# Altium PCB RPI_Gateway 1.0.0.PcbDoc (continued)
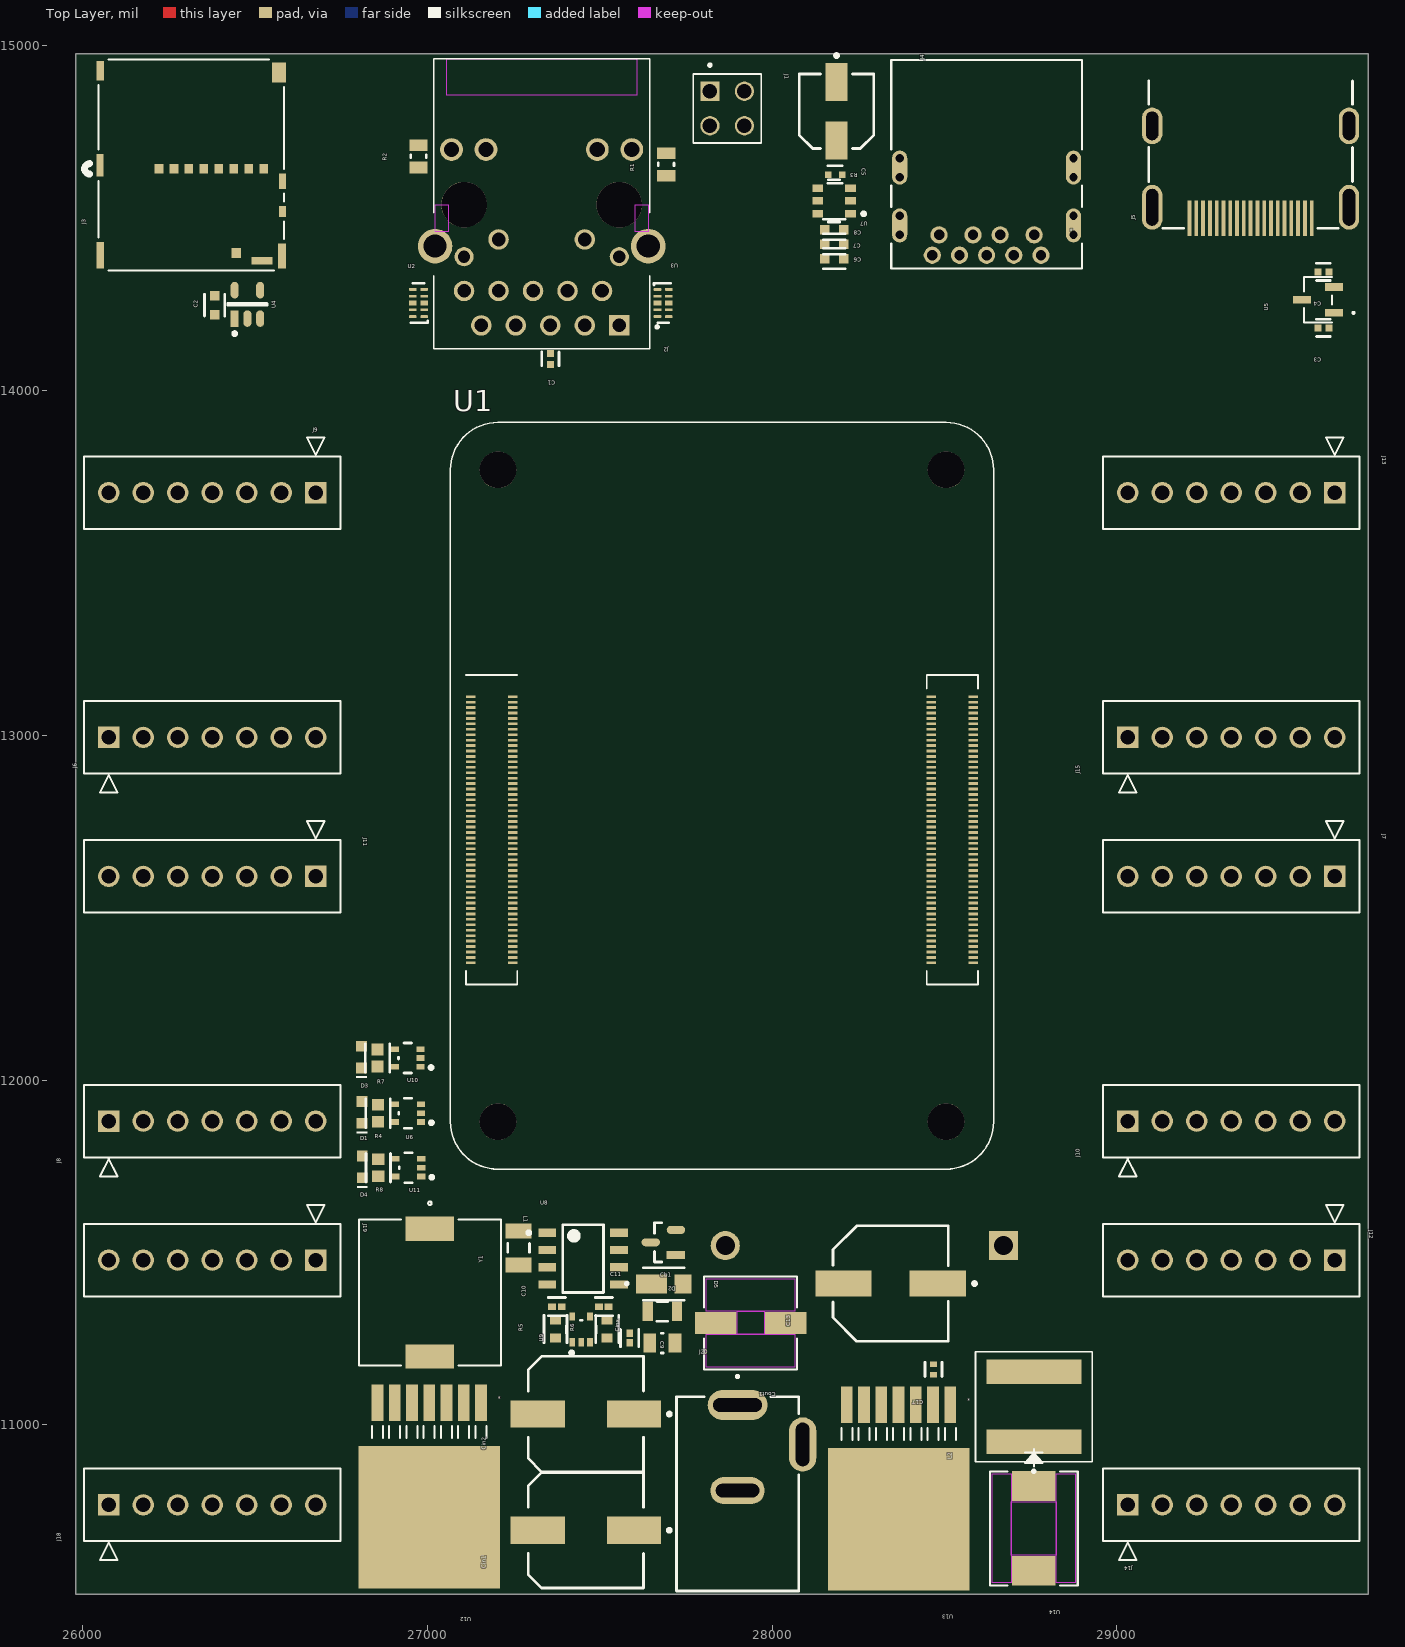
[diagram p0: Top Layer view]
## Footprints (in the part's own frame and the unit in brackets; to place one, negate y for a bottom-side part, rotate by r counter-clockwise, add the part's x,y. Pads: shape width x height; smd on the part's side, far side on the other; paste and mask are expansions set on the pad) (continued)
  round 2.7 hole 2.7: Un1(0,0) Un2(33,0) Un3(0,48) Un4(33,48)
  silkscreen extent -3.5,-3.5 36.5,51.5, body extent -2.15,10.2 35.15,32.8, height 1.41
RESC1005X40X25LL05T05 [mm] "Chip Resistor, 2-Leads, Body 1.05x0.55mm, IPC High Density"
  rect 0.45x0.45 smd: 1(-0.4,0) 2(0.4,0)
  body extent -0.53,-0.28 0.53,0.28, height 0.4
RESC2013X50X30LL20T20 [mm] "Chip Resistor, 2-Leads, Body 2.00x1.25mm, IPC High Density"
  rect 0.85x1.35 smd: 1(-0.825,0) 2(0.825,0)
  silkscreen extent -0.1,-0.58 0.1,0.58, body extent -1.1,-0.72 1.1,0.72, height 0.5
SOT_42SNGV_RIT [mil] "HDMI Power"
  rect 22x52 smd paste+0 mask+0: 1(-37.5,-47) 2(37.5,-47) 3(0,47)
  silkscreen extent -66,-106 66,41, body extent -61,-59 61,59, height 51
ST11S008V4HR2000_JAE [mil] "SD Card"
  rect 25x28 smd paste+0 mask+0: 1(93.31,11.63) 2(50,11.63) 3(6.69,11.63) 4(-36.61,11.63) 5(-79.92,11.63) 6(-123.23,11.63) 7(-166.54,11.63) 8(-209.84,11.63)
  rect 61x22 smd paste-30.5 mask-30.5: 9(-205.71,278.36)
  rect 28x28 smd paste-14 mask-14: 10(-131.1,255.72)
  rect 22x57 smd paste-28.5 mask-28.5: 11(263.19,-272.82)
  rect 20x65 smd paste-32.5 mask-32.5: 12(264.17,0.8)
  rect 22x77 smd paste-38.5 mask-38.5: 13(263.19,262.42)
  rect 22x73 smd paste-36.5 mask-36.5: 14(-263.19,264.58)
  rect 20x32 smd paste-16 mask-16: 15(-264.17,135.25)
  rect 20x45 smd paste-22.5 mask-22.5: 16(-264.17,48.05)
  rect 40x58 smd paste-29 mask-29: 17(-254.53,-267.9)
  silkscreen extent -269,-306 309,306, body extent -264,-303 264,299, height 48
TS7B [mil]
  rect 34x106 smd paste-53 mask-53: 1(-150,-326) 2(-100,-326) 3(-50,-326) 4(0,-326) 5(50,-326) 6(100,-326) 7(150,-326)
  rect 410x412 smd paste-206 mask-206: 8(0,6)
  silkscreen extent -166,-259 166,-224, body extent -205,-278 205,200, height 189
VALCON_THD-02-R [mm] "4 Pins Header for Ethernet"
  rect 1.42x1.42 hole 1.07: 01(-1.27,-1.27)
  round 1.42 hole 1.07: 02(-1.27,1.27) 03(1.27,-1.27) 04(1.27,1.27)
  silkscreen extent -3.29,-2.5 2.54,2.5, body extent -2.54,-2.5 2.54,2.5, height 8.6
WL-SMCW_0603_150060xx75000 [mm] "SMD Mono-color Chip LED, body 1.60 x 0.80 mm"
  rect 0.8x0.8 smd: 1(-0.8,0) 2(0.8,0)
  silkscreen extent -1.55,-0.4 -1.4,0.4, body extent -0.8,-0.4 0.8,0.4, height 0.7

## Part data
BT1: library part CMP-00214-00028800-1, "105 Battery Holder Coin Cell 1 Cell PC Pin PCB Through Hole Mount PBT 0.944 in. Dia", Max Operating Temperature=145°C, Min Operating Temperature=-50°C, Approvals=UL, Body Material="Glass, Nylon, PBT", Contact Material=Nickel, Contact Plating=Nickel, Diameter=24mm, Height=8.75mm, Lead Free="Lead Free", Material="Plastic, Steel", Mount="PCB, Through Hole", NexarPartId=28800, Number of Batteries=1, Number of Cells=1, Number of Contacts=2, Packaging=Bulk, REACH SVHC="No SVHC", RoHS=Compliant, Termination="PC Pin", Wire/Cable Gauge=1AWG
C1: library part CMP-2008-02046-2, "CAP CER 0.1UF 10V X5R 0402", Capacitance=100n, Manufacturer=Kemet, Package=C0402-BB, Temperature="-55°C to +125°C", Temperature Characteristic=X5R, Temperature Coefficient=15%, Temperature Range High=+125°C, Temperature Range Low=-55°C, Tolerance=0.1, Voltage Rating="10 V", Automotive=No, Category=Cap, ComponentLink2Description=Datasheet, ComponentLink2URL=https://content.kemet.com/datasheets/KEM_C1002_X7R_SMD.pdf, Device Class L1="Passive Components", Device Class L2=Capacitors, Device Class L3="Ceramic Capacitors", Digikey Description="CAP CER 0.1UF 10V X5R 0402", Height=0.55mm, Ipc Land Pattern Name=CAPC10050X50, Lead Free=Yes, Manufacturer Part Number=C0402C104K8PACTU, Material=Ceramic, Mouser Description="Capacitor 100 nF 10 VDC 0402", Octopart=https://octopart.com/c0402c104k8pactu-kemet-140039, RoHS=TRUE
C2 C6 C7 C8: library part CMP-2000-04979-3, "Multilayer Ceramic Capacitors 10μF ±10% 10V X5R SMD 0603", Capacitance=10uF, Case Code (Imperial)=0603, Case Code (Metric)=1608, Dielectric=X5R, Dielectric Material=Ceramic, Max Operating Temperature=85°C, Min Operating Temperature=-55°C, Package Quantity=1, Tolerance=10%, Voltage=10V, Case/Package=0603, Construction=Flat, Depth=0.8mm, Height=0.8mm, Lead Free="Lead Free", Length=1.6mm, Mount="Surface Mount", Number of Pins=2, Packaging="Tape and Reel", Radiation Hardening=No, REACH SVHC="No SVHC", Resistor Type=Ceramic, RoHS Compliant=Yes, Series=C, Termination=SMD/SMT, Thickness=0.035inch, Voltage Rating=10V, Voltage Rating (DC)=10V, Weight=7.1E-05oz, Width=0.8mm
C3 C4 C9 C10 C11: library part CMP-2008-02046-2, "CAP CER 0.1UF 10V X5R 0402", Capacitance="0.10 μF", Manufacturer=Kemet, Package=C0402-BB, Temperature="-55°C to +125°C", Temperature Characteristic=X5R, Temperature Coefficient=15%, Temperature Range High=+125°C, Temperature Range Low=-55°C, Tolerance=0.1, Voltage Rating="10 V", Automotive=No, Category=Cap, ComponentLink2Description=Datasheet, ComponentLink2URL=https://content.kemet.com/datasheets/KEM_C1002_X7R_SMD.pdf, Device Class L1="Passive Components", Device Class L2=Capacitors, Device Class L3="Ceramic Capacitors", Digikey Description="CAP CER 0.1UF 10V X5R 0402", Height=0.55mm, Ipc Land Pattern Name=CAPC10050X50, Lead Free=Yes, Manufacturer Part Number=C0402C104K8PACTU, Material=Ceramic, Mouser Description="Capacitor 100 nF 10 VDC 0402", Octopart=https://octopart.com/c0402c104k8pactu-kemet-140039, RoHS=TRUE
C5: library part CMP-05427-000047-1, "CAP ALUM 100UF 20% 10V SMD", Capacitance=100uF, Case/Package=Radial, Max Operating Temperature=85°C, Min Operating Temperature=-40°C, Package Quantity=1, Ripple Current=50mA, Tolerance=20%, Voltage Rating=10V, Construction=Cylindrical, Contact Plating=Tin, Diameter=5mm, Height=5.4mm, Height - Seated (Max)=0.213inch, Lead Free="Lead Free", Length=5.5mm, Life (Hours)=1000Hour, Mount="Surface Mount", Packaging="Tape and Reel", Radiation Hardening=No, Ripple Current (AC)=50mA, RoHS Compliant=Yes, Series=S, Termination=SMD/SMT, Voltage Rating (DC)=10V
C12 Cb1: library part CMP-08246-000595-1, "Cap Ceramic 10nF 50V C0G 5% Pad SMD 0805 +125°C Automotive T/R", Capacitance=10nF, Case Code (Imperial)=0805, Case Code (Metric)=2012, Dielectric=C0G, Max Operating Temperature=125°C, Min Operating Temperature=-55°C, Package Quantity=1, Ratings=AEC-Q200, Tolerance=5%, Voltage Rating=50V, Case/Package=0805, Composition=Ceramic, Depth=1.25mm, Height=0.6mm, Lead Free="Lead Free", Length=2mm, Mount="Surface Mount", Packaging="Tape and Reel", Radiation Hardening=No, REACH SVHC="No SVHC", Termination=SMD/SMT, Thickness=0.028inch, Voltage Rating (DC)=50V, Weight=0.000194oz, Width=0.049inch
C13: library part CMP-05428-001015-1, "Conductive Polymer Aluminum Solid Capacitors (OS-CON) 180uF ±20% 20V RADIAL SMT 8x6.9mm", Capacitance=180uF, Case/Package=Radial, ESR (Equivalent Series Resistance)=25mR, Leakage Current=720uA, Max Operating Temperature=105°C, Min Operating Temperature=-55°C, Package Quantity=1000, Ripple Current=3.2A, Tolerance=20%, Voltage=20V, Construction=Cylindrical, Diameter=8mm, Dissipation Factor=12%, Height=6.9mm, Height - Seated (Max)=0.276inch, Lead Free="Lead Free", Length=6.9mm, Life (Hours)=5000Hour, Mount="Surface Mount", Number of Pins=7, Packaging="Tape and Reel", Polarity=Polar, REACH SVHC="No SVHC", Ripple Current (AC)=3.2A, RoHS Compliant=Yes, Series="OS-CON™, SVPF", Termination=SMD/SMT, Voltage Rating=20V, Voltage Rating (DC)=20V
C14 C15 C16: library part CMP-05428-001341-1, "Molded Tantalum Polymer Capacitor 100uF 20% 8V life 1000Hours SMD 1411", Capacitance=100uF, Case Code (Imperial)=1210, Case Code (Metric)=3528, Case/Package=Molded, ESR (Equivalent Series Resistance)=35mR, Leakage Current=80uA, Max Operating Temperature=105°C, Min Operating Temperature=-55°C, Package Quantity=2000, Ripple Current=1.4A, Tolerance=20%, Voltage=8V, Construction=Flat, Depth=2.8mm, Dissipation Factor=8%, Features="General Purpose", Height=1.9mm, Height - Seated (Max)=0.079inch, Lead Free="Lead Free", Length=3.5mm, Mount="Surface Mount", Number of Pins=2, Packaging="Tape and Reel", Polarity=Polar, Radiation Hardening=No, REACH SVHC="No SVHC", RoHS Compliant=Yes, Series="POSCAP™ TPE", Termination=SMD/SMT, Voltage Rating=8V, Voltage Rating (DC)=8V, Width=2.8mm
C17: library part CMP-2100-03641-2, "CAP CER 0.1UF 16V X7R 0402", Capacitance=0.10μF, Manufacturer=Murata, Package=GRM15, Temperature="-55°C to +125°C", Temperature Characteristic=X7R, Temperature Range High=+125°C, Temperature Range Low=-55°C, Tolerance=10%, Voltage Rating=16Vdc, Category=Cap, ComponentLink2Description=Datasheet, ComponentLink2URL=https://search.murata.co.jp/Ceramy/image/img/A01X/G101/ENG/GRM155R71H471KA01-01A.pdf, Device Class L1="Passive Components", Device Class L2=Capacitors, Device Class L3="Ceramic Capacitors", Digikey Description="CAP CER 0.1UF 16V X7R 0402", Height=0.55mm, Ipc Land Pattern Name=CAPC10050X219, Lead Free=yes, Manufacturer Part Number=GRM155R71C104KA88D, Material=Ceramic, Mouser Description="0402 0.1 uF 16V ±10 % Tolerance X7R SMT Multilayer Ceramic Capacitor", Octopart=https://octopart.com/grm155r71c104ka88d-murata-196880, RoHS=TRUE, Standoff Height=0mm
Cin1 Cin2: library part CMP-05427-000084-1, "CAP ALUM 100UF 20% 35V SMD", Capacitance=100uF, Case/Package=Radial, Dielectric Material=Aluminium, ESR (Equivalent Series Resistance)=160mR, Leakage Current=3uA, Max Operating Temperature=105°C, Min Operating Temperature=-55°C, Package Quantity=1, Ripple Current=600mA, Tolerance=20%, Voltage=35V, Construction=Cylindrical, Contact Plating=Tin, Diameter=8mm, Height=10.2mm, Height - Seated (Max)=0.402inch, Impedance=160mR, Lead Free="Lead Free", Length=10.2mm, Life (Hours)=2000Hour, Mount="Surface Mount", Number of Pins=2, Packaging="Tape and Reel", Radiation Hardening=No, REACH SVHC="No SVHC", Ripple Current (AC)=600mA, RoHS Compliant=Yes, Series=FK, Termination=SMD/SMT, Voltage Rating=35V, Voltage Rating (DC)=35V, Width=10mm
Cinx: library part CMP-1036-04410-2, "CAP CER 0.1UF 25V X7R 0805", Capacitance="100 nF", Manufacturer=Yageo, Package=CC0805-0.85, Temperature="-30°C to +85°C", Temperature Characteristic=X7R, Temperature Range High=+85°C, Temperature Range Low=-30°C, Tolerance=0.1, Voltage Rating="25 V", Automotive=No, Category=Cap, ComponentLink2Description=Datasheet, ComponentLink2URL=http://www.yageo.com/documents/recent/UPY-GPHC_Y5V_6.3V-to-50V_8.pdf, Device Class L1="Passive Components", Device Class L2=Capacitors, Device Class L3="Ceramic Capacitors", Digikey Description="CAP CER 0.1UF 25V X7R 0805", Footprint Url=http://www.yageo.com/exep/pages/download/literatures/UPY-C_GEN_24.pdf, Height=0.95mm, Ipc Land Pattern Name=CAPC200125X85, Lead Free=Yes, Manufacturer Part Number=CC0805KRX7R8BB104, Material=Ceramic, Mouser Description="Multilayer Ceramic Capacitors MLCC - SMD/SMT 100nF 25V X7R 10%", Octopart=https://octopart.com/cc0805krx7r8bb104-yageo-39467766, RoHS=TRUE
Cout1: "No Description Available", Mfr_Name="Nippon Chemi-Con"
D1 D3 D4: library part CMP-1426-00004-3, "Led, Red, 630 Nm, 1.9 V, 30 Ma, 60 Mcd Rohs Compliant: Yes", Case Code (Imperial)=0603, Case Code (Metric)=1608, Color=Red, Forward Current=100mA, Forward Voltage=1.9V, Max Operating Temperature=85°C, Max Reverse Voltage (DC)=5V, Min Operating Temperature=-40°C, Test Current=20mA, Case/Package=0603, Dominant Wavelength=630nm, Height=700µm, Length=1.6mm, Lens Style="Clear, Rectangular", Luminous Intensity=60mcd, Mount="Surface Mount", Packaging="Tape and Reel", Peak Wavelength=645nm, REACH SVHC=Unknown, RoHS=Compliant, Viewing Angle=140°, Wavelength=630nm, Width=800µm
D2: library part CMP-12790-000084-1, "DIODE ARRAY SCHOTTKY 30V SOT23-3", Average Rectified Current=200mA, Capacitance=10pF, Case/Package=SOT-23, Forward Voltage=800mV, Max Forward Surge Current (Ifsm)=600mA, Max Operating Temperature=150°C, Max Power Dissipation=200mW, Max Repetitive Reverse Voltage (Vrrm)=30V, Max Reverse Current=2uA, Min Operating Temperature=-65°C, Package Quantity=3000, Contact Plating=Tin, Current Rating=200mA, Element Configuration="Common Cathode", Forward Current=200mA, Height=1mm, Lead Free="Lead Free", Length=2.9mm, Max Reverse Voltage (DC)=30V, Mount="Surface Mount", Number of Pins=3, Packaging="Tape and Reel", Peak Non-Repetitive Surge Current=600mA, Power Dissipation=200mW, Power Rating=200mW, Radiation Hardening=No, REACH SVHC="No SVHC", Reverse Recovery Time=5ns, RoHS Compliant=Yes, Series=-, Termination=SMD/SMT, Voltage Rating (DC)=30V, Weight=0.000282oz, Width=1.3mm
D5: library part CMP-07162-000017-1, "DIODE SCHOTTKY 60V 3A SOD123HE", Forward Current=3A, Manufacturer="ON Semiconductor", Max Junction Temp=+150°C, Max Repetitive Reverse Voltage=60V, Max Surge Forward Current=80A, Package=425AC, Peak Reverse Current=100uA, Temperature="-55°C to +150°C", Temperature Range Low=-55°C, Automotive=No, Category=Diode, ComponentLink2Description=Datasheet, ComponentLink2URL=https://www.onsemi.jp/PowerSolutions/document/FSV360FP-D.PDF, Device Class L1="Discrete Semiconductors", Device Class L2=Diodes, Device Class L3="Schottky Diodes", Digikey Description="DIODE SCHOTTKY 60V 3A SOD123HE", Footprint Url=https://www.onsemi.com/pub/Collateral/425AC.PDF, Height=1mm, Lead Free=Yes, Manufacturer Part Number=FSV360FP, Mouser Description="60V 3A Schottky Barrier Rectifier in SOD-123HE / TAPE REEL", Octopart=https://octopart.com/fsv360fp-on+semiconductor-84328668, Reverse Voltage=60V, RoHS=TRUE, Temperature Range High=+150°C
J1: "THD - Valcon 2.54mm Pitch Dual Row Pin Header - Fast Stock", Package=None, Availability="No availability data", Check_prices=https://www.snapeda.com/parts/THD-02-R/Valcon/view-part/4777189/?ref=eda, MF=Valcon, MP=THD-02-R, Price=None, Purchase-URL=https://pricing.snapeda.com/search/part/THD-02-R/?ref=eda, SnapEDA_Link=https://www.snapeda.com/parts/THD-02-R/Valcon/view-part/4777189/?ref=snap
J2: "Ethernet RPI", Package=None, Availability=Unavailable, MP=A70-112-331N126, Price=None
J3: "SD Card", Mfr_Name="JAE Electronics", RefDes=RefDes, Type=Type
J4: "No Description Available", Mfr_Name="Molex Connector Corporation", RefDes=RefDes, Type="USB, DVI, HDMI, Connectors"
J5: library part CMP-1502-00169-3, Color=Black, Contact Resistance=30mΩ, Current Rating=500mA, Insulation Resistance=10MΩ, Max Operating Temperature=85°C, Min Operating Temperature=-25°C, Voltage Rating=40V, Body Material=Plastic, Connector Type=HDMI, Contact Material="Bronze, Gold", Features=Shielded, Gender=Receptacle, Height=5.55mm, Length=12.15mm, Mount="Horizontal, Surface Mount", NexarPartId=18818285, Number of Contacts=19, Number of Pins=19, Number of Positions=19, Orientation=Horizontal, Packaging="Tape and Reel", REACH SVHC=Unknown, RoHS=Compliant, Termination=SMD/SMT, Width=15mm
J6 J7 J8 J9 J10 J11 J12 J13 J14 J15 J18 J19: "No Description Available", Mfr_Name=Sullins, RefDes=RefDes, Type=Type
J20: "Power Barrel Connector Jack 2.05mm ID (0.081), 5.50mm OD (0.217) Through Hole, Right Angle", Package=None, Check_prices=https://www.snapeda.com/parts/DCJ200-10-A-K1-K/Global+Connector+Technology/view-part/?ref=eda, MF="Global Connector Technology", MP=DCJ200-10-A-K1-K, SnapEDA_Link=https://www.snapeda.com/parts/DCJ200-10-A-K1-K/Global+Connector+Technology/view-part/?ref=snap
L1: "No Description Available", Mfr_Name=Coilcraft
L2: Package=None, Availability=Unavailable, MP=XAL8080-103MEB, Price=None
R1 R2: library part CMP-2001-03932-1, Manufacturer="Vishay Dale", Part Number=CRCW0805470RFKEA
R3: library part CMP-2002-00694-4, "RES SMD 15K OHM 1% 1/10W 0402", Manufacturer=Panasonic, Package=ERJ2R, Power Rating=0.1W, Resistance=15kΩ, Temperature="-55°C to +155°C", Temperature Coefficient=100ppm/°C, Temperature Range High=+155°C, Temperature Range Low=-55°C, Tolerance=1%, Voltage Rating=50V, Automotive=Yes, Automotive Grade="Grade 0", Category=Res, ComponentLink2Description=Datasheet, ComponentLink2URL=https://industrial.panasonic.com/cdbs/www-data/pdf/RDA0000/AOA0000C304.pdf, Composition="Thick Film", Device Class L1="Passive Components", Device Class L2=Resistors, Device Class L3="Chip SMD Resistors", Digikey Description="RES SMD 15K OHM 1% 1/10W 0402", Footprint Url=https://b2b-api.panasonic.eu/file_stream/pids/fileversion/1180, Height=0.4mm, Lead Free=Yes, Manufacturer Part Number=ERJ-2RKF1502X, Mouser Description="Res Thick Film 1.0 x 0.5 mm 15K Ohm 1% 0.1W(1/10W) 100ppm/ C Molded SMD Punched Carrier T/R", Octopart=https://octopart.com/erj-2rkf1502x-panasonic-55404985, RoHS=TRUE, Series=ERJ
R4 R7 R8: library part CMP-2000-00873-2, "RES SMD 1K OHM 0.1% 1/10W 0603", Case Code (Imperial)=0603, Case Code (Metric)=1608, Max Operating Temperature=155°C, Max Power Dissipation=100mW, Min Operating Temperature=-55°C, Package Quantity=5000, Resistance=1kR, Resistance Tolerance=0.1%, Resistor Type="Thin Film", Temperature Coefficient=25ppm/°C, Voltage Rating=75V, Case/Package=0603, Construction=Rectangular, Contact Plating=Tin, Depth=0.8mm, Height=0.45mm, Length=1.6mm, Military Standard=Not, Mount="Surface Mount", Number of Pins=2, Number of Terminations=2, Packaging="Tape and Reel", Power Rating=100mW, Radiation Hardening=No, REACH SVHC="No SVHC", RoHS Compliant=Yes, Series=ERA-3A, Size Code=0603, Technology="METAL FILM", Termination=SMD/SMT, Tolerance=0.1%, Width=0.8mm
R5 R6: library part CMP-2100-03664-2, "RES 10K OHM 1% 1/10W 0603", Case Code (Imperial)=0603, Case Code (Metric)=1608, Max Operating Temperature=155°C, Max Power Dissipation=100mW, Min Operating Temperature=-55°C, Resistance=10kR, Resistance Tolerance=1%, Resistor Type="Thick Film", Temperature Coefficient=100ppm/°C, Voltage Rating=75V, Voltage Rating (DC)=50V, Case/Package=0603, Construction=Rectangular, Depth=0.8mm, Features="Moisture Resistant", Height=0.45mm, Lead Free="Lead Free", Lead Pitch=0.3mm, Length=1.6mm, Military Standard=Not, Number of Pins=2, Number of Terminations=2, Packaging="Tape and Reel", Power Rating=100mW, RoHS Compliant=Yes, Series=RC, Size Code=0603, Termination=SMD/SMT, Tolerance=1%, Weight=7.1E-05oz, Width=0.8mm
R9 R10 R11 R12: library part CMP-2000-07451-1, "Chip Resistor, 0 Ohm, 0.1 W, -55 to 155 degC, 0402 (1005 Metric), RoHS, Tape and Reel", Case Code (Imperial)=0402, Case Code (Metric)=1005, Manufacturer=Panasonic, Max Operating Temperature=155degC, Max Power Dissipation=100mW, Min Operating Temperature=-55degC, Package Description="2-Pin Surface Mount Device, Body 1 x 0.5 mm", Package Quantity=1, Package Reference=402, Resistance=0mOhm, Temperature Coefficient=600ppm/��C, Tolerance=5%, Voltage Rating=50V, Case/Package=0402, Composition=ThickFilm, Contact Plating=Tin, Datasheet URL=https://industrial.panasonic.com/cdbs/www-data/pdf/RDA0000/AOA0000C301.pdf, Datasheet Version=03/2015, Depth=0.5mm, Height=0.35mm, Lead Free=LeadFree, Length=1mm, Manufacturer URL=http://www.panasonic.com/, Military Standard=Not, Mount=SurfaceMount, Mounting Technology=SurfaceMount, Number of Terminations=2, Packaging=TapeandReel, Power Rating=100mW, Radiation Hardening=No, REACH SVHC=NoSVHC, RoHSCompliant=True, Termination=SMD/SMT, Voltage Rating (DC)=50V, Width=0.02inch
U1: "Compute Module Holder"
U2 U3: library part CMP-0326-00027-3, "ESD Solution for Super-Speed (6 GBPS) USB 3.0 Interface, 4 Channels, -40 to +85 degC, 10-pin SON (DQA), Green (RoHS & no Sb/Br)", Breakdown Voltage(Min)(V)=8, Differential Capacitance(pF)=0.05, IO Capacitance(Typ)(pF)=0.8, IO Leakage Current(nA)=10, Manufacturer="Texas Instruments", 1394 / Firewire=TRUE, ComponentLink1Description="Manufacturer URL", ComponentLink1URL=http://www.ti.com/, ComponentLink2Description=Datasheet, ComponentLink2URL=http://www.ti.com/general/docs/lit/getliterature.tsp?genericPartNumber=TPD4EUSB30&fileType=pdf, ComponentLink3Description="URL Link1", ComponentLink3URL=SamplesURL:http://www.ti.com/product/tpd4eusb30#samples, DatasheetVersion=SLVSAC2C, Eco-Plan="Green (RoHS & no Sb/Br)", HDMI=TRUE, IEC 61000-4-2 Air-Gap(+/- kV)=8, IEC 61000-4-2 Contact(+/- kV)=8, Mounting Technology="Surface Mount", PackageDescription="10-Pin Plastic Small Outline No-Lead, 1 x 2.5 x 0.55 mm Body, 0.5 mm Pitch", PackageReference=DQA0010A, PackageVersion="revB, Sep-2009", PartNumber=TPD4EUSB30DQAR, Serial ATA / eSATA=TRUE, SubFamily="ESD Solution", USB Full Speed=TRUE, USB High Speed=TRUE, USB Super Speed=TRUE
U4: library part CMP-79883-000001-1, "IC PWR SWTCH N-CHAN 1:1 TSOT23-5", Case/Package=SOT-23-5, Max Operating Temperature=85°C, Max Output Current=1A, Min Operating Temperature=-40°C, On-State Resistance=70mR, Fault Protection="Over Temperature", Interface=On/Off, Number of Outputs=1, Number of Pins=23, Output Configuration="High Side", Packaging="Tape and Reel", REACH SVHC="No SVHC", RoHS Compliant=Yes
U5: "HDMI Power", Mfr_Name="Richtek Technology", RefDes=RefDes, Type=Type
U6 U9 U10 U11: library part CMP-12739-000001-1, "IC BUF NON-INVERT 5.5V SOT353", Ambient Temperature Range High=+125°C, Ambient Temperature Range Low=-40°C, Manufacturer="Diodes Inc.", Max Junction Temp=+150°C, Max Supply Voltage=5.5V, Min Supply Voltage=1.65V, Nominal Supply Current=0.1uA, Package=SOT353, Temperature="-40°C to +125°C", Automotive=No, Category=IC, ComponentLink2Description=Datasheet, ComponentLink2URL=https://www.diodes.com/assets/Datasheets/74LVC1G07.pdf, Device Class L1="Integrated Circuits (ICs)", Device Class L2="Logic ICs", Device Class L3=Buffers, Digikey Description="IC BUF NON-INVERT 5.5V SOT353", Footprint Url=https://www.diodes.com/assets/Package-Files/SOT353.pdf, Height=1.1mm, Ipc Land Pattern Name=SOT65P210X100-5, Lead Free=Yes, Logic Function Desc=Non-Inverting, Manufacturer Part Number=74LVC1G07SE-7, Mouser Description="74LVC Series 5.5 V Surface Mount Single Buffer with Open Drain Output - SOT-353", Number Of Circuits=1, Number Of Inputs=1, Number of Outputs=1, Octopart=https://octopart.com/74lvc1g07se-7-diodes+inc.-18882698, Propagation Delay=1.7ns, RoHS=TRUE, Standoff Height=0mm, Temperature Range High=+125°C, Temperature Range Low=-40°C
U7: library part CMP-12749-000002-1, "LOAD SWITCH,SOT26,T&R,3K"
U8: library part CMP-10083-000015-1, "IC RTC CLK/CALENDAR I2C 8SOIC", Case/Package=SOIC, Max Operating Temperature=85°C, Min Operating Temperature=-40°C, Date Format=YY-MM-DD-dd, Interface=I2C, Lead Free="Lead Free", Mount="Surface Mount", Packaging="Tape and Reel", RoHS Compliant=Yes, Time Format="HH:MM:SS (12/24 hr)"
U12 U13: "No Description Available", Mfr_Name="Texas Instruments", RefDes=RefDes, Type=LM2678S-12
U14: "No Description Available", Mfr_Name=Comchip
Y1: library part CMP-0447-00001-4, "Crystal 32.768kHz ±20ppm (Tol) 12.5pF FUND 70kΩ 2-Pin CSMD T/R", Case/Package=CSMD, ESR (Equivalent Series Resistance)=70kR, Frequency=32.768kHz, Frequency Tolerance=20ppm, Load Capacitance=12.5pF, Max Operating Temperature=85°C, Min Operating Temperature=-40°C, Operating Frequency="32.768 kHz", Package Quantity=3000, Depth=1.5mm, Height=0.9mm, Lead Free="Lead Free", Length=3.2mm, Number of Pins=2, Packaging="Tape and Reel", Radiation Hardening=No, REACH SVHC="No SVHC", RoHS Compliant=Yes, Series=ABS07, Series Resistance=70kR, Termination=SMD/SMT, Tolerance=20ppm, Width=1.5mm

## Free pads (board coordinates)
  rect 60x60 hole 60 square: 9(17889.08,9647) 9(17971.82,9647) 9(18054.56,9647) 9(18137.29,9647) 9(18220.03,9647) 9(18302.77,9647) 9(18385.51,9647) 9(18468.25,9647) 9(18550.99,9647) 9(18633.73,9647) 9(18716.47,9647) 9(18799.21,9647) 9(18881.95,9647) 9(18964.69,9647) 9(19047.43,9647) 9(19130.17,9647) 9(19212.91,9647) 9(19295.65,9647) 9(19378.38,9647) 9(19461.12,9647) 9(19543.86,9647) 9(19626.6,9647) 9(19709.34,9647) 9(19792.08,9647) 9(19874.82,9647) 9(19957.56,9647) 9(20040.3,9647) 9(20123.04,9647) 9(20205.78,9647) 9(20288.52,9647) 9(20371.26,9647) 9(20454,9647) 9(20536.73,9647) 9(20619.47,9647) 9(20702.21,9647) 9(20784.95,9647) 9(20867.69,9647) 9(20950.43,9647) 9(21033.17,9647) 9(21115.91,9647) 9(21198.65,9647) 9(21281.39,9647) 9(21364.13,9647) 9(21446.87,9647) 9(21529.61,9647) 9(21612.35,9647) 9(21695.08,9647) 9(21777.82,9647) 9(21860.56,9647) 9(21943.3,9647) 9(22026.04,9647) 9(22108.78,9647) 9(22191.52,9647) 9(22274.26,9647) 9(22358,9647)

## Nets (pads, with @x,y where several pads share a name; then routed paths per layer and width w, separated by ;. In a path a pad name is that pad's centre, name@x,y a point inside that pad or via, vN(x,y) a via of type N, cw(c..) or ccw(c..) an arc to the next point about the centre after c; other vN are vias at no path point)
1-D_N: J4.2 U1.136
1-D_P: J4.3 U1.134
1-Rx_N: J4.6 U1.128
1-Rx_P: J4.5 U1.130
1-Tx_N: J4.9 U1.140
1-Tx_P: J4.8 U1.142
+3V3: C10.1 C11.1 Cout1.2 D2.1 J2.15 J2.17 J9.1 J10.1 J11.1 J14.1 J15.1 J19.1 L1.1 R5.2 U4.5 U6.5 U10.5 U11.5 U12.6
+5: C3.1 C8.2 C14.2 C15.2 C16.2 L2.2 U1.77 U1.79 U1.81 U1.83 U1.85 U1.87 U5.1 U7.1 U13.6
+12: C13.2 C17.2 Cin1.2 Cin2.2 Cinx.1 J20.1 U12.2 U13.2
CK_N: J5.12 U1.190
CK_P: J5.10 U1.188
CS0: J6.4 J7.4 J8.4 J12.4 J13.4 J18.4 U1.31
CS1: J6.5 J7.5 J8.5 J12.5 J13.5 J18.5 U1.29
D0_N: J5.9 U1.184
D0_P: J5.7 U1.182
D1_N: J5.6 U1.178
D1_P: J5.4 U1.176
D2_N: J5.3 U1.172
D2_P: J5.1 U1.170
EEPROM_nWP: R9.1 U1.20
GND: BT1.1 C1.2 C2.1 C3.2 C4.2 C5.1 C6.1 C7.1 C8.1 C9.2 C10.2 C13.1 C14.1 C15.1 C16.1 C17.1 Cin1.1 Cin2.1 Cinx.2 Cout1.1 D1.1 D3.1 D4.1 D5.2 J2.S1 J2.S2 J3.6 J3.11 J3.12 J3.13 J3.14 J3.15 J3.16 J3.17 J4.4 J4.7 J5.2 J5.5 J5.8 J5.11 J5.17 J5.Shell J9.7 J10.7 J11.7 J14.7 J15.7 J19.7 J20.2 J20.3 R3.2 R9.2 R10.2 R11.2 R12.2 U1.1 U1.2 U1.7 U1.8 U1.13 U1.14 U1.22 U1.23 U1.32 U1.33 U1.42 U1.43 U1.52 U1.53 U1.59 U1.60 U1.65 U1.66 U1.71 U1.74 U1.98 U1.107 U1.108 U1.113 U1.114 U1.119 U1.120 U1.125 U1.126 U1.131 U1.132 U1.137 U1.138 U1.144 U1.150 U1.155 U1.156 U1.161 U1.162 U1.167 U1.168 U1.173 U1.174 U1.179 U1.180 U1.185 U1.186 U1.191 U1.192 U1.197 U1.198 U2.3@26991.44,14253 U2.8@26958.56,14253 U3.3@27668,14253 U3.8@27700.87,14253 U4.2 U5.3 U6.3 U7.2 U8.4 U9.3 U10.3 U11.3 U12.4 U12.8 U13.4 U13.8 U14.2
GPIO1: J6.6 J7.6 J8.6 J12.6 J13.6 J18.6 U1.27
GPIO2: J6.7 J7.7 J8.7 J12.7 J13.7 J18.7 U1.25
GPIO3: J9.2 J10.2 J11.2 J14.2 J15.2 J19.2 U1.45
GPIO4: J9.3 J10.3 J11.3 J14.3 J15.3 J19.3 U1.47
GPIO5: J9.4 J10.4 J11.4 J14.4 J15.4 J19.4 U1.49
GPIO6: J9.5 J10.5 J11.5 J14.5 J15.5 J19.5 U1.51
HDMI_PWR: C4.1 J5.18 U5.2
MISO: J6.2 J7.2 J8.2 J12.2 J13.2 J18.2 U1.39
"Modem Reset": J9.6 J10.6 J11.6 J14.6 J15.6 J19.6 U1.92 U1.100 U10.2
MOSI: J6.3 J7.3 J8.3 J12.3 J13.3 J18.3 U1.37
NetBT1_2: BT1.2 D2.2
NetC1_1: C1.1 J2.4 J2.5
NetC9_1: C9.1 D2.3 U8.8
NetC11_2: C11.2 R6.2 U8.3 U9.2
NetC12_1: C12.1 U13.3
NetC12_2: C12.2 L2.1 U13.1 U14.1
NetCb1_1: Cb1.1 U12.3
NetCb1_2: Cb1.2 D5.1 L1.2 U12.1
NetD1_2: D1.2 R4.1
NetD3_2: D3.2 R7.1
NetD4_2: D4.2 R8.1
NetJ2_16: J2.16 R1.2
NetJ2_18: J2.18 R2.2
NetJ3_1: J3.1 U1.69
NetJ3_2: J3.2 U1.61
NetJ3_3: J3.3 U1.62
NetJ3_5: J3.5 U1.57
NetJ3_7: J3.7 U1.63
NetJ3_8: J3.8 U1.67
NetJ5_13: J5.13 U1.151
NetJ5_15: J5.15 U1.200
NetJ5_16: J5.16 U1.199
NetJ5_19: J5.19 U1.153
NetR1_1: R1.1 U1.15
NetR2_1: R2.1 U1.17
NetR3_1: R3.1 U7.5
NetR4_2: R4.2 U6.4
NetR5_1: R5.1 R6.1 U9.5
NetR7_2: R7.2 U10.4
NetR8_2: R8.2 U11.4
NetR10_1: R10.1 U1.89
NetR11_1: R11.1 U1.91
NetR12_1: R12.1 U1.93
NetU1_75: U1.75 U4.4
NetU1_80: U1.80 U8.6
NetU1_82: U1.82 U8.5
NetU1_95: U1.95 U6.2
NetU1_99: U1.99 U9.4 U11.2
NetU1_111: U1.111 U7.3
NetU8_1: U8.1 Y1.2
NetU8_2: U8.2 Y1.1
SCLK: J6.1 J7.1 J8.1 J12.1 J13.1 J18.1 U1.41
SD_PWR: C2.2 J3.4 U4.1
TR0_TAP: J1.03 J2.11
TR1_TAP: J1.01 J2.12
TR2_TAP: J1.02 J2.13
TR3_TAP: J1.04 J2.14
TRD0_N: J2.2 U1.10 U3.4
TRD0_P: J2.1 U1.12 U3.5
TRD1_N: J2.6 U1.6 U3.2
TRD1_P: J2.3 U1.4 U3.1
TRD2_N: J2.8 U1.9 U2.4
TRD2_P: J2.7 U1.11 U2.5
TRD3_N: J2.10 U1.5 U2.2
TRD3_P: J2.9 U1.3 U2.1
VBUS: C5.2 C6.2 C7.2 J4.1 U7.6
pads on no net: J2. J3.9 J3.10 J4.10 J4.11 J4.12 J4.13 J4.S_1_H1 J4.S_1_H2 J4.S_2_H1 J4.S_2_H2 J4.S_3_H1 J4.S_3_H2 J4.S_4_H1 J4.S_4_H2 J5.14 U1.16 U1.18 U1.19 U1.21 U1.24 U1.26 U1.28 U1.30 U1.34 U1.35 U1.36 U1.38 U1.40 U1.44 U1.46 U1.48 U1.50 U1.54 U1.55 U1.56 U1.58 U1.64 U1.68 U1.70 U1.72 U1.73 U1.76 U1.78 U1.84 U1.86 U1.88 U1.90 U1.94 U1.96 U1.97 U1.101 U1.102 U1.103 U1.104 U1.105 U1.106 U1.109 U1.110 U1.112 U1.115 U1.116 U1.117 U1.118 U1.121 U1.122 U1.123 U1.124 U1.127 U1.129 U1.133 U1.135 U1.139 U1.141 U1.143 U1.145 U1.146 U1.147 U1.148 U1.149 U1.152 U1.154 U1.157 U1.158 U1.159 U1.160 U1.163 U1.164 U1.165 U1.166 U1.169 U1.171 U1.175 U1.177 U1.181 U1.183 U1.187 U1.189 U1.193 U1.194 U1.195 U1.196 U1.Un1 U1.Un2 U1.Un3 U1.Un4 U2.3@26991.44,14253 U2.6 U2.7 U2.8@26958.56,14253 U2.9 U2.10 U3.3@27668,14253 U3.6 U3.7 U3.8@27700.87,14253 U3.9 U3.10 U4.3 U6.1 U7.4 U8.7 U9.1 U10.1 U11.1 U12.5 U12.7 U13.5 U13.7

## Polygon pours and split planes (outlines as drawn)
GND on Top Layer "NONET_L01_P000" (solid, remove dead copper, shelved, pour order 0): 5395,4921.26 935,4921.26 935,138 5395,138

## Silkscreen, mask and mechanical layers (free items; w line width, h text height)
Mechanical 1:
  the board outline again, w10

## Text inside footprints (layer, text, board x,y; h text height)
J4: Top 3D Body "*" at 28872.47,14475.64 h20 r180; Top Overlay "*" at 28872.47,14475.64 h20 r180
J5: Mechanical 2 "PCB Edge" at 29460.82,14938.14 h20 r180
U12: Top 3D Body "*" at 27213.5,11090.01 h20 r180; Top Overlay "*" at 27213.5,11090.01 h20 r180
U13: Top 3D Body "*" at 28574.5,11084.14 h20 r180; Top Overlay "*" at 28574.5,11084.14 h20 r180